# Altium PCB CRD25DA12N-FMC V1.2 (01-2024).PcbDoc (part 1 of 6) (continued)
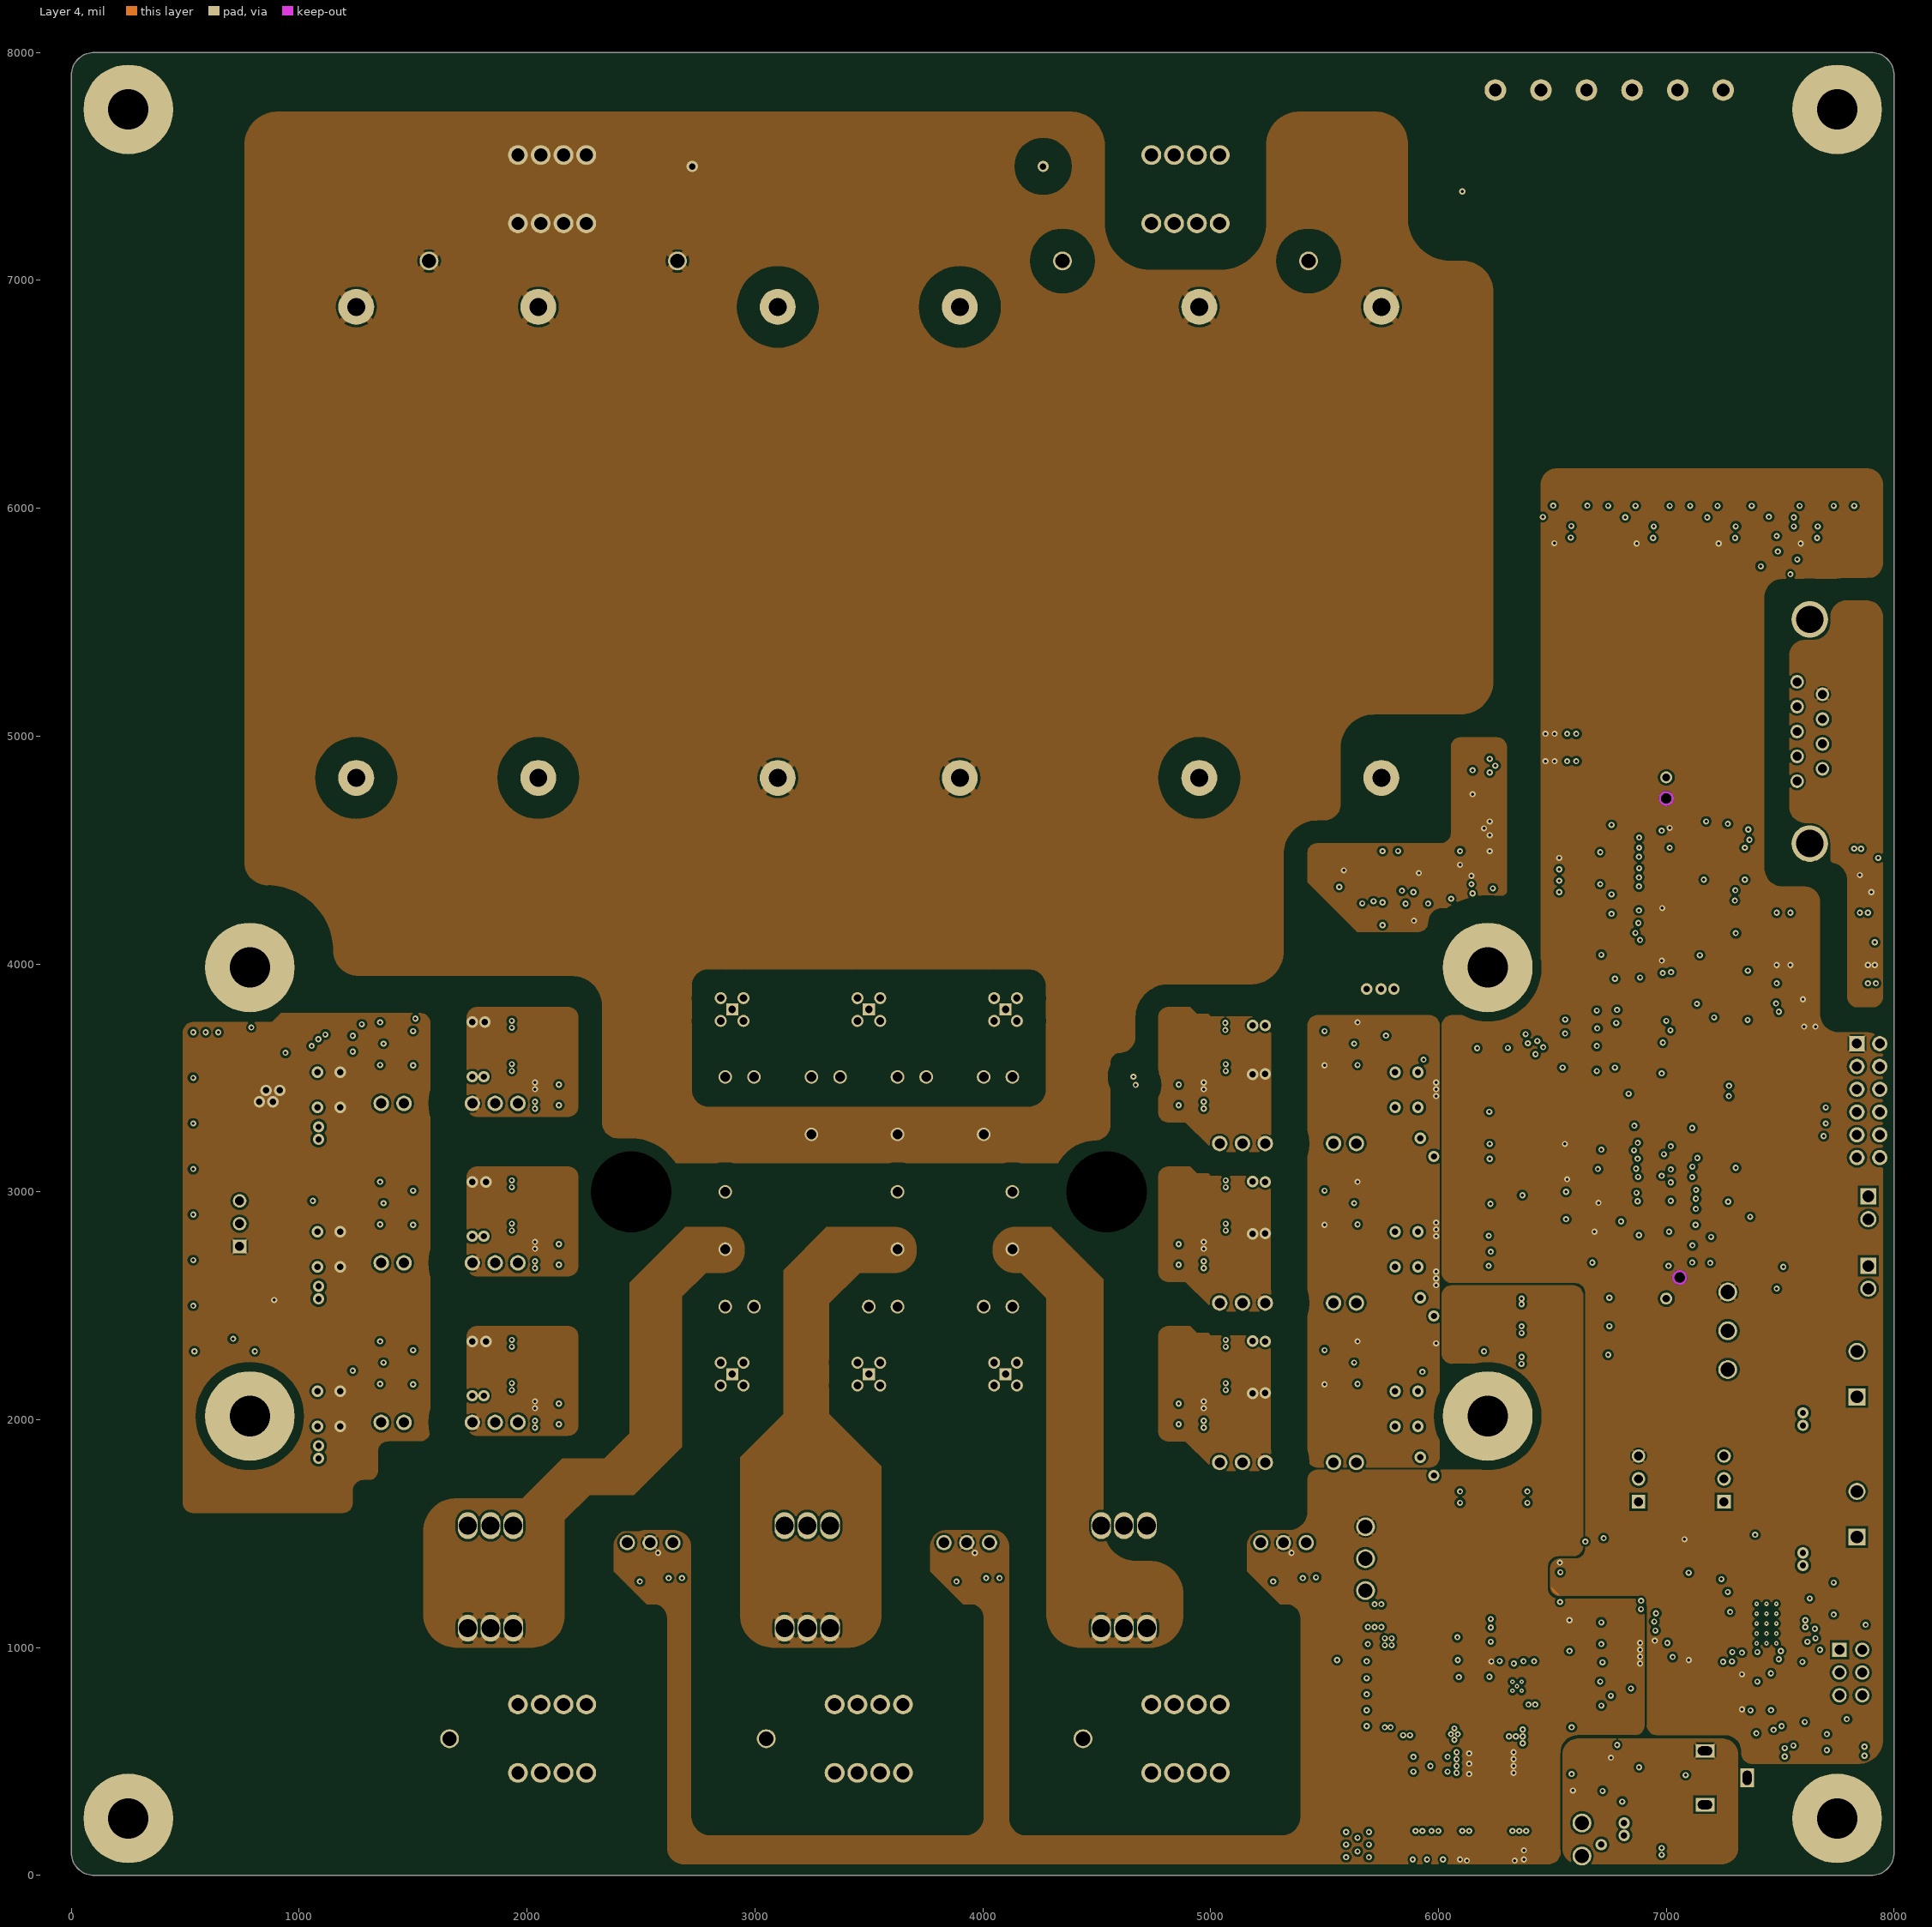
[diagram p4: Layer 4]
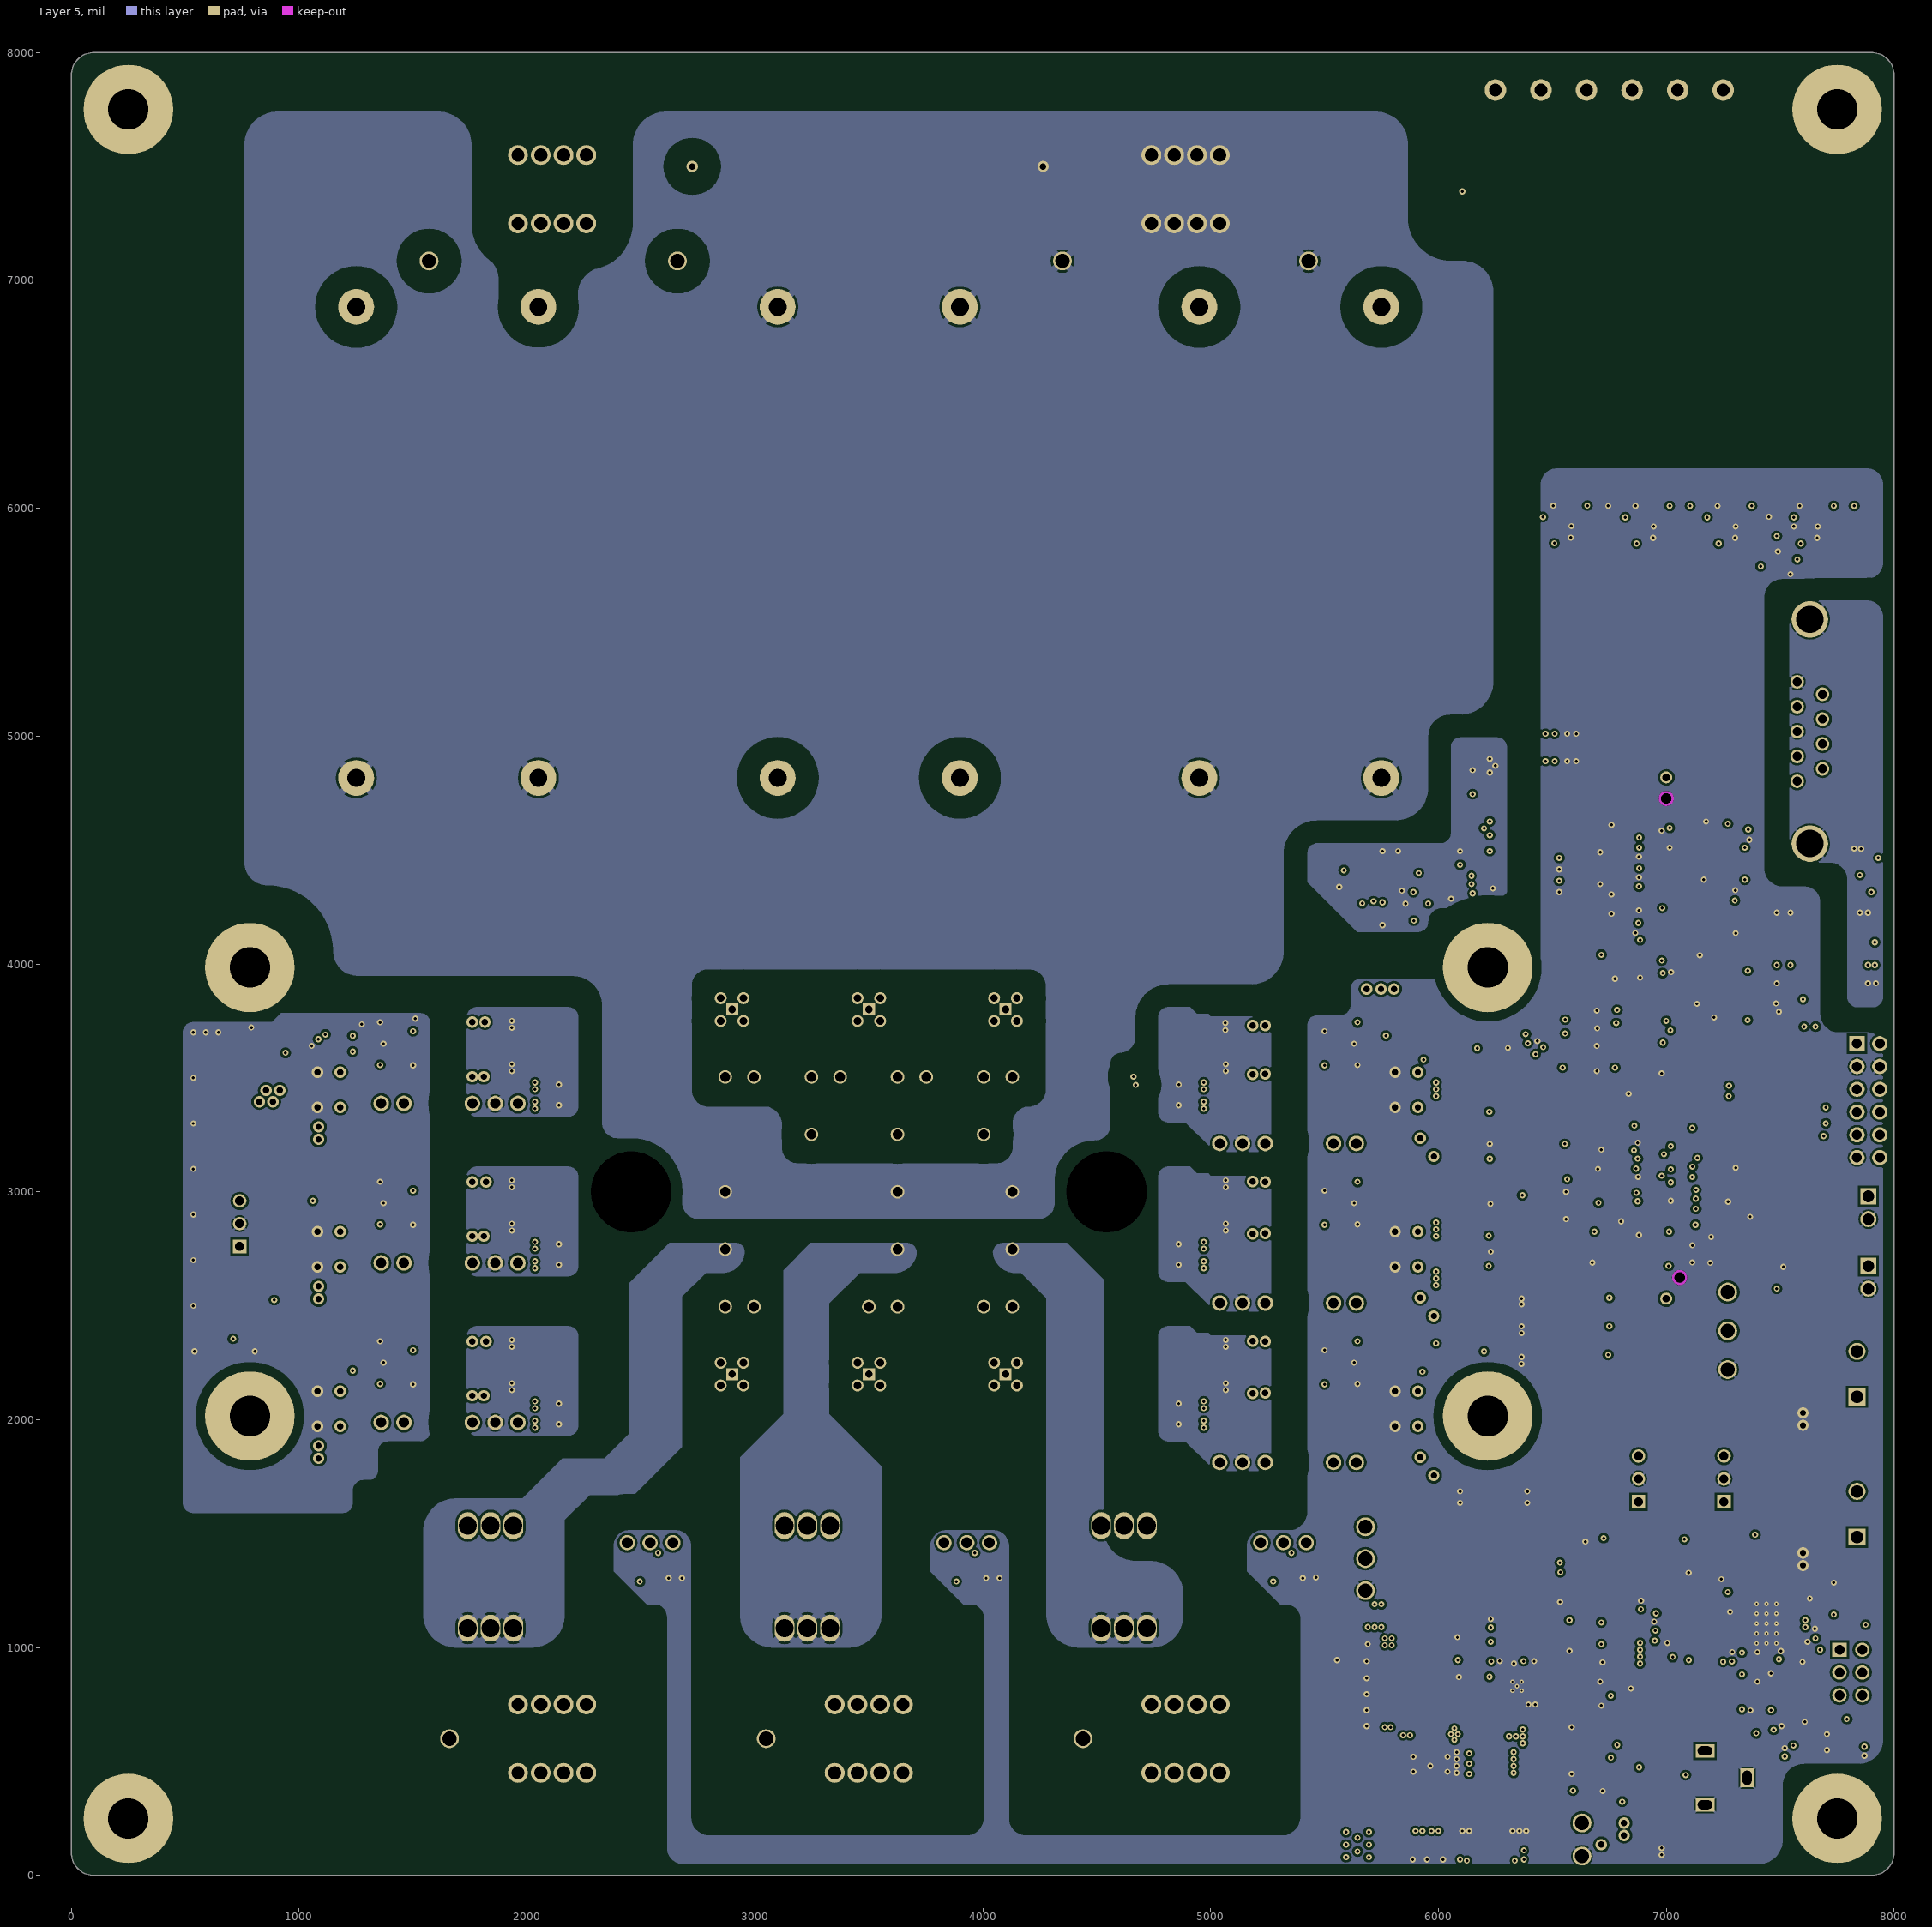
[diagram p5: Layer 5]

## Layer stack, top to bottom
Top Solder: solder mask 1, SM-002, Dk 4
Top Layer: signal copper 2.756
Dielectric 2: prepreg 7.894, PP-006, Dk 4.1
Layer 2: signal copper 2.756
Dielectric 4: prepreg 7.894, PP-006, Dk 4.1
Layer 3: signal copper 2.756
Dielectric 1: dielectric 42.888, FR-4, Dk 4.8
Layer 4: signal copper 2.756
Dielectric 5: prepreg 7.894, PP-006, Dk 4.1
Layer 5: signal copper 2.756
Dielectric 3: prepreg 7.894, PP-006, Dk 4.1
Bottom Layer: signal copper 2.756
Bottom Solder: solder mask 1, SM-002, Dk 4

## Board outline
0,100 0,7900 cw(c100,7900) 100,8000 7900,8000 cw(c7900,7900) 8000,7900 8000,100 cw(c7900,100) 7900,0 100,0 cw(c100,100)

## Design rules (kind name [scope] priority, off if disabled: settings)
Clearance Keepout [IsKeepOut] p1: gap=0 ignorepadtopadclearanceinfootprint=FALSE
Clearance DC+/-_Heatsink [InNet('DC-') Or InNet('DC+') vs HasFootprint('LA 6 150 12')] p2: gap=160 ignorepadtopadclearanceinfootprint=FALSE except(0: Arc-Hole Track-Hole SMDPad-Hole THPad-Hole Via-Hole Fill-Hole Poly-Hole Region-Hole Text-Hole)
Clearance NTC_Heatsink [InNetClass('NTC Class') vs HasFootprint('LA 6 150 12')] p3: gap=120 ignorepadtopadclearanceinfootprint=FALSE except(0: Arc-Hole Track-Hole SMDPad-Hole THPad-Hole Via-Hole Fill-Hole Poly-Hole Region-Hole Text-Hole)
Clearance Heatsink [All vs HasFootprint('LA 6 150 12')] p4: gap=40 ignorepadtopadclearanceinfootprint=FALSE except(0: Arc-Hole Track-Hole SMDPad-Hole THPad-Hole Via-Hole Fill-Hole Poly-Hole Region-Hole Text-Hole)
Clearance Module_Mount [All vs HoleDiameter = 354.331] p5: gap=50 ignorepadtopadclearanceinfootprint=FALSE
Clearance LV_to_G [InNetClass('LV Pours') vs InNetClass('Gate Class')] p6: gap=160 ignorepadtopadclearanceinfootprint=FALSE except(0: Arc-Hole Track-Hole SMDPad-Hole THPad-Hole Via-Hole Fill-Hole Poly-Hole Region-Hole Text-Hole)
Clearance DC+/-_to_LV [InNet('DC-') OR InNet('DC+') OR InNetClass('U Class') OR InNetClass('V Class') OR InNetClass('W Class') vs InNetClass('LV Pours')] p7: gap=160 ignorepadtopadclearanceinfootprint=FALSE except(0: Arc-Hole Track-Hole SMDPad-Hole THPad-Hole Via-Hole Fill-Hole Poly-Hole Region-Hole Text-Hole)
Clearance DC+_Internal [(InNet('DC-') Or InNetClass('DC+ Class')) AND InLayerClass('Internal Layers')] p8: gap=100 ignorepadtopadclearanceinfootprint=FALSE except(0: Arc-Hole Track-Hole SMDPad-Hole THPad-Hole Via-Hole Fill-Hole Poly-Hole Region-Hole Text-Hole)
Clearance DC+_Pins_External [InNet('DC+') AND InLayerClass('External Layers') vs (HasFootprint('FM3_SIX-PACK_3PHASE_CRW') OR HasFootprint('FP-73415-1471-MFG')) AND (InNetClass('Gate Class') OR InNetClass('NTC Class'))] p9: gap=140 ignorepadtopadclearanceinfootprint=FALSE except(0: Arc-Hole Track-Hole SMDPad-Hole THPad-Hole Via-Hole Fill-Hole Poly-Hole Region-Hole Text-Hole)
Clearance DC+_to_DC+ [InNetClass('DC+ Class') vs InNetClass('DC+ Class')] p10: gap=10 ignorepadtopadclearanceinfootprint=FALSE except(0: Arc-Hole Track-Hole SMDPad-Hole THPad-Hole Via-Hole Fill-Hole Poly-Hole Region-Hole Text-Hole)
Clearance DC+_External [InNet('DC+') AND InLayerClass('External Layers')] p11: gap=160 ignorepadtopadclearanceinfootprint=FALSE except(0: Arc-Text Arc-Hole Track-Text Track-Hole SMDPad-Text SMDPad-Hole THPad-Text THPad-Hole Via-Text Via-Hole Fill-Text Fill-Hole Poly-Text Poly-Hole Region-Text Region-Hole Text-Text Text-Hole)
Clearance CAN [InNetClass('CAN Class') vs Not InNetClass('CAN Class') And Not IsPad] p12: gap=100 ignorepadtopadclearanceinfootprint=FALSE except(0: Arc-Hole Track-Hole SMDPad-Hole THPad-Hole Via-Hole Fill-Hole Poly-Hole Region-Hole Text-Hole)
Clearance U [InNetClass('U Class') vs NOT InNetClass('U Class')] p13: gap=100 ignorepadtopadclearanceinfootprint=FALSE except(0: Arc-Text Arc-Hole Track-Text Track-Hole SMDPad-Text SMDPad-Hole THPad-Text THPad-Hole Via-Text Via-Hole Fill-Text Fill-Hole Poly-Text Poly-Hole Region-Text Region-Hole Text-Text Text-Hole)
Clearance V [InNetClass('V Class') vs NOT InNetClass('V Class')] p14: gap=100 ignorepadtopadclearanceinfootprint=FALSE except(0: Arc-Text Arc-Hole Track-Text Track-Hole SMDPad-Text SMDPad-Hole THPad-Text THPad-Hole Via-Text Via-Hole Fill-Text Fill-Hole Poly-Text Poly-Hole Region-Text Region-Hole Text-Text Text-Hole)
Clearance W [InNetClass('W Class') vs NOT InNetClass('W Class')] p15: gap=100 ignorepadtopadclearanceinfootprint=FALSE except(0: Arc-Hole Track-Hole SMDPad-Hole THPad-Hole Via-Hole Fill-Hole Poly-Hole Region-Hole Text-Text Text-Hole)
Clearance NTC_External [InNetClass('NTC Class') AND InLayerClass('External Layers') vs NOT InNetClass('NTC Class') AND NOT IsPad] p16: gap=150 ignorepadtopadclearanceinfootprint=FALSE except(0: Arc-Hole Track-Hole SMDPad-Hole THPad-Hole Via-Hole Fill-Hole Poly-Hole Region-Hole Text-Hole)
Clearance NTC_Internal [InNetClass('NTC Class') AND InLayerClass('Internal Layers') vs NOT InNetClass('NTC Class') AND NOT IsPad] p17: gap=100 ignorepadtopadclearanceinfootprint=FALSE except(0: Arc-Hole Track-Hole SMDPad-Hole THPad-Hole Via-Hole Fill-Hole Poly-Hole Region-Hole Text-Hole)
Clearance [All] p18: gap=10 ignorepadtopadclearanceinfootprint=TRUE except(0: Arc-Hole Track-Hole SMDPad-Hole THPad-Hole Via-Hole Fill-Poly Fill-Hole Poly-Hole Region-Hole Text-Hole; 6: Arc-SMDPad Track-SMDPad SMDPad-SMDPad THPad-THPad)
Height [All] p1: minheight=0 maxheight=4100 prefheight=500
HoleSize [All] p1: absolutevalues=TRUE maxlimit=400 minlimit=5 maxpercent=80.000 minpercent=20.000
MinimumSolderMaskSliver [All] p1: minsoldermaskwidth=1.5
PolygonConnect InductorConnect [HasFootprint('74437368220')] p1: connectstyle=Direct reliefconductorwidth=10 reliefentries=4 polygonreliefangle="90 Angle" airgapwidth=10
PolygonConnect BoltConnect [HoleDiameter=177.165] p2: thpad.connectstyle=Direct thpad.reliefconductorwidth=10 thpad.reliefentries=4 thpad.polygonreliefangle="90 Angle" thpad.airgapwidth=10 smdpad.connectstyle=Relief smdpad.reliefconductorwidth=10 smdpad.reliefentries=4 smdpad.polygonreliefangle="90 Angle" smdpad.airgapwidth=10 via.connectstyle=Relief via.reliefconductorwidth=10 via.reliefentries=4 via.polygonreliefangle="90 Angle" via.airgapwidth=10
PolygonConnect PressFitConnect [HasFootprint('7460307')] p3: connectstyle=Direct reliefconductorwidth=10 reliefentries=4 polygonreliefangle="90 Angle" airgapwidth=10
PolygonConnect ModuleConnect [HasFootprint('FM3_SIX-PACK_3PHASE_CRW')] p4: connectstyle=Direct reliefconductorwidth=30 reliefentries=4 polygonreliefangle="45 Angle" airgapwidth=10
PolygonConnect PourOverThruConnect [InNetClass('Pour-Over Thru Class') AND NOT HasFootprint('FM3_SIX-PACK_3PHASE_CRW')] p5: thpad.connectstyle=Relief thpad.reliefconductorwidth=20 thpad.reliefentries=4 thpad.polygonreliefangle="45 Angle" thpad.airgapwidth=7 smdpad.connectstyle=Relief smdpad.reliefconductorwidth=20 smdpad.reliefentries=4 smdpad.polygonreliefangle="90 Angle" smdpad.airgapwidth=8 via.connectstyle=Direct via.reliefconductorwidth=10 via.reliefentries=4 via.polygonreliefangle="90 Angle" via.airgapwidth=10
PolygonConnect PourOverConnect [InNetClass('Pour-Over Class')] p6: connectstyle=Direct reliefconductorwidth=10 reliefentries=4 polygonreliefangle="90 Angle" airgapwidth=10
PolygonConnect ViaConnect [IsVia] p7: connectstyle=Direct reliefconductorwidth=10 reliefentries=4 polygonreliefangle="90 Angle" airgapwidth=10
PolygonConnect HighCurrentThermalConnect [InNetClass('High-Current Class') AND NOT HasFootprint('FM3_SIX-PACK_3PHASE_CRW')] p8: thpad.connectstyle=Relief thpad.reliefconductorwidth=30 thpad.reliefentries=4 thpad.polygonreliefangle="45 Angle" thpad.airgapwidth=10 smdpad.connectstyle=Relief smdpad.reliefconductorwidth=10 smdpad.reliefentries=4 smdpad.polygonreliefangle="45 Angle" smdpad.airgapwidth=10 via.connectstyle=Direct via.reliefconductorwidth=10 via.reliefentries=4 via.polygonreliefangle="90 Angle" via.airgapwidth=10
PolygonConnect [All] p9: connectstyle=Relief reliefconductorwidth=10 reliefentries=4 polygonreliefangle="45 Angle" airgapwidth=7
RoutingVias [All] p1: holewidth=28 width=50 viastyle="Through Hole" minholewidth=28 minwidth=50 maxholewidth=28 maxwidth=50
SilkToSilkClearance [All] p1: silktosilkclearance=4
SilkToSolderMaskClearance [IsPad] p1: minsilkscreentomaskgap=2 clearancetoexposedcopper=TRUE
SolderMaskExpansion [All] p1: expansion=4 istentingtop=FALSE
Width [All] p1: maxlimit=100 minlimit=6.5 preferedwidth=10 minimp=50.000000 maximp=50.000000 favimp=50.000000
25 further rules are at their usual default settings.

## Classes and differential pairs
net class "Gate Class": +15V_U_HS +15V_U_LS +15V_V_HS +15V_V_LS +15V_W_HS +15V_W_LS -3V_U_HS -3V_U_LS -3V_V_HS -3V_V_LS -3V_W_HS -3V_W_LS G1 G1H G1L G2 G2H G2L G3 G3H G3L G4 G4H G4L G5 G5H G5L G6 G6H G6L S1 S2 S3 S4 S5 S6
net class "LV Pours": +3.3V +5V +5V_ALT +12V +15V -15V GND
net class "DC+ Class": DC+ DC+1
net class "G6 Class": +15V_W_LS -3V_W_LS G6 G6H G6L S6
net class "G5 Class": +15V_W_HS -3V_W_HS G5 G5H G5L S5
net class "G4 Class": +15V_V_LS -3V_V_LS G4 G4H G4L S4
net class "G3 Class": +15V_V_HS -3V_V_HS G3 G3H G3L S3
net class "G2 Class": +15V_U_LS -3V_U_LS G2 G2H G2L S2
net class "G1 Class": +15V_U_HS -3V_U_HS G1 G1H G1L S1
net class "CAN Class": +5V_ISO CAN_H CAN_L GND_ISO
net class "NTC Class": +5V_NTC GND_NTC NTC1 NTC1_BUF NTC1_FB NTC1_INV NTC_B0 NTC_B1 NTC_BIAS NTC_BIAS_BUF NTC_DIV NTC_MOD NTC_PWM NTC_SET
net class "Pour-Over Thru Class": +15V_U_HS +15V_U_LS +15V_V_HS +15V_V_LS +15V_W_HS +15V_W_LS -3V_U_HS -3V_U_LS -3V_V_HS -3V_V_LS -3V_W_HS -3V_W_LS S1 S2 S3 S4 S5 S6
net class "Pour-Over Class": G1 G1H G1L G2 G2H G2L G3 G3H G3L G4 G4H G4L G5 G5H G5L G6 G6H G6L
net class "High-Current Class": DC+ DC- U U_OUT V V_OUT W W_OUT
net class "Bleed Class": BLEED1 BLEED2 BLEED3
net class "DC- Class": +15V_U_LS +15V_V_LS +15V_W_LS -3V_U_LS -3V_V_LS -3V_W_LS DC- G2 G2H G2L G4 G4H G4L G6 G6H G6L S2 S4 S6
net class "W Class": +15V_W_HS -3V_W_HS G5 G5H G5L S5 W W_OUT
net class "V Class": +15V_V_HS -3V_V_HS G3 G3H G3L S3 V V_OUT
net class "U Class": +15V_U_HS -3V_U_HS G1 G1H G1L S1 U U_OUT
component class "08 - Resolver": C19 C22 C93 C94 C95 C96 C97 C98 C104 C106 C165 C169 C170 C171 C173 C174 C177 C178 C180 C181 C185 C187 D8 D9 D10 J16 Q1 R58 R63 R127 R128 R129 R130 R131 R132 R133 R135 R138 R140 R218 R220 R221 R222 R224 R228 R229 R232 R235 R236 R237 R238 R239 R240 R241 R242 R243 U43 U44 U45 U46
component class "02 - Power Stage": C114 C115 C116 C162 C163 C164 C166 C167 C168 D11 D12 D13 D14 HS1 J2 J3 J5 J6 J7 J12 J13 J14 J17 J18 J19 MH1 MH2 MH3 MH4 Q2 R1 R2 R3 R4 R5 R6 R7 R8 R9 R10 R11 R12 R73 R74 R79 R80 R107 R108 R110 R111 R125 R126 TP1 TP2 TP3 TP4 TP11 TP12 TP13 U32 U33 U34
component class "04 - Auxiliary Power": C5 C10 C11 C12 C13 C17 C27 C54 C66 C99 C100 C101 C102 C103 C105 C107 C108 C109 C110 C111 C112 C113 C121 C122 C126 C158 C159 C160 C161 C172 C175 C176 C179 C182 C183 C184 C186 C188 C189 C190 C191 C192 C193 C194 C195 C196 C197 C198 C199 C200 C201 C202 C203 C204 C205 C206 C207 D4 D5 D6 D7 D17 D18 J9 J10 J20 L7 L8 L9 Q5 Q6 R134 R136 R137 R139 R141 R142 R143 R144 R145 R146 R147 R148 R215 R216 R219 R223 R225 R226 R227 R230 R231 R233 R234 R244 R245 R246 R247 TP5 TP6 TP7 TP8 TP9 TP10 TP14 TP15 U6 U7 U12 U19 U30 U31 U35 U36 U37 U47
component class "07 - Current Sense": C21 C23 C25 C44 C45 C61 C69 C70 C123 C128 C129 C130 C133 C134 C135 C136 C137 C140 C141 C142 C145 C146 C147 C148 C149 C150 C152 C153 C154 R64 R82 R83 R84 R85 R86 R87 R90 R91 R96 R97 R100 R103 R104 R105 R106 R109 R114 R117 R120 R183 R184 R185 R186 R187 R188 R189 R190 R191 R192 R193 R194 R195 R196 U18 U21 U23 U38 U40 U41
component class "03 - Controller": C24 C26 C46 C47 C55 C58 C138 C139 C151 C155 C156 C157 D1 D2 D3 D15 D16 J4 J8 J11 J15 Q3 Q4 R65 R66 R181 R182 R204 R205 R206 R207 R208 R209 R210 R211 R212 R213 R214 R217 U5 U39 U42
component class "06 - Voltage Sense": C1 C2 C3 C4 C6 C7 C8 C9 C117 C118 C119 C120 C124 C125 C127 C132 J1 R13 R14 R15 R16 R17 R18 R19 R20 R21 R22 R23 R24 R25 R26 R27 R28 R29 R30 R31 R32 R33 R34 R35 R36 R37 R38 R39 R40 R41 R42 R43 R44 R45 R50 R55 R57 R149 R150 R151 R152 R153 R154 R155 R156 R157 R158 R159 R160 R161 R162 R163 R164 R165 R166 R167 R168 R169 R170 R171 R172 R173 R174 R175 R176 R177 R178 R179 R180 U1 U2 U3 U4
component class "05 - Gate Drivers": C14 C15 C16 C18 C20 C28 C29 C30 C31 C32 C33 C34 C35 C36 C37 C38 C39 C40 C41 C42 C43 C48 C49 C50 C51 C52 C53 C56 C57 C59 C60 C62 C63 C64 C65 C67 C68 C71 C72 C73 C74 C75 C76 C77 C78 C79 C80 C81 C82 C83 C84 C85 C86 C87 C88 C89 C90 C91 C92 C131 C143 C144 L1 L2 L3 L4 L5 L6 R46 R47 R48 R49 R51 R52 R53 R54 R56 R59 R60 R61 R62 R67 R68 R69 R70 R71 R72 R75 R76 R77 R78 R81 R88 R89 R92 R93 R94 R95 R98 R99 R101 R102 R112 R113 R115 R116 R118 R119 R121 R122 R123 R124 R197 R198 R199 R200 R201 R202 R203 U8 U9 U10 U11 U13 U14 U15 U16 U17 U20 U22 U24 U25 U26 U27 U28 U29

## Components (designator, comment, footprint, x,y, rotation, side; value= is the part's Value field where it differs from the comment)
C1 "C0603C472K3RAC7867" FP-C0603C-CF-IPC_B 6460,6040 r270 top value=4.7nF
C2 "CL10B103KA8WPNC" FP-C0603C-CF-IPC_B 6820,6040 r270 top value=10nF
C3 "CL10B103KA8WPNC" FP-C0603C-CF-IPC_B 7180,6040 r270 top value=10nF
C4 "CL10B103KA8WPNC" FP-C0603C-CF-IPC_B 7540,6040 r270 top value=10nF
C5 "C0603C104K3RACTU" FP-C0603C-CF-IPC_B 7480,5920 r180 top value=0.10μF
C6 "C0603C104K3RACTU" FP-C0603C-CF-IPC_B 6580,5795 r0 top value=0.10μF
C7 "C0603C104K3RACTU" FP-C0603C-CF-IPC_B 6940,5795 r0 top value=0.10μF
C8 "C0603C104K3RACTU" FP-C0603C-CF-IPC_B 7300,5795 r0 top value=0.10μF
C9 "C0603C104K3RACTU" FP-C0603C-CF-IPC_B 7660,5795 r0 top value=0.10μF
C10 "CL31B106KAHSFNE" FP-CL31-IPC_B 6530,5070 r0 top value=10μF
C11 "CL31B106KAHSFNE" FP-CL31-IPC_B 6090,4800 r90 top value=10μF
C12 "C0603C104K3RACTU" FP-C0603C-CF-IPC_B 7210,4580 r180 top value=0.10μF
C13 "C0603C104K3RACTU" FP-C0603C-CF-IPC_B 7210,4511 r180 top value=0.10μF
C14 "C0603C104K3RACTU" FP-C0603C-CF-IPC_B 5722,4470 r90 top value=0.10μF
C15 "C0603C104K3RACTU" FP-C0603C-CF-IPC_B 6060,4470 r90 top value=0.10μF
C16 "C0603C104K3RACTU" FP-C0603C-CF-IPC_B 6128,4470 r90 top value=0.10μF
C17 "C0603C104K3RACTU" FP-C0603C-CF-IPC_B 7210,4442 r180 top value=0.10μF
C18 "C0603C104K3RACTU" FP-C0603C-CF-IPC_B 6020,4340 r270 top value=0.10μF
C19 "C0603C102K5RACAUTO" FP-C0603C-CF-IPC_B 7210,4304 r0 top value=1nF
C20 "C0603C104K3RACTU" FP-C0603C-CF-IPC_B 5858,4200 r90 top value=0.10μF
C21 "C0603C472K3RAC7867" FP-C0603C-CF-IPC_B 6790,4180 r180 top value=4.7nF
C22 "C0603C102K5RACAUTO" FP-C0603C-CF-IPC_B 7210,4168 r0 top value=1nF
C23 "C0603C472K3RAC7867" FP-C0603C-CF-IPC_B 6790,4110 r180 top value=4.7nF
C24 "CL10C560JB8NNNC" FP-C0603C-CF-IPC_B 7210,4032 r180 top value=56pF
C25 "C0603C472K3RAC7867" FP-C0603C-CF-IPC_B 6790,3974 r180 top value=4.7nF
C26 "CL10C560JB8NNNC" FP-C0603C-CF-IPC_B 7210,3828 r0 top value=56pF
C27 "CL31B106KAHSFNE" FP-CL31-IPC_B 7575.81,3790 r180 top value=10μF
C28 "GRT188R61H225ME13D" FP-C0603C-CF-IPC_B 1425,3752 r180 top value=2.2μF
C29 "GRT188R61H225ME13D" FP-C0603C-CF-IPC_B 5575,3752 r180 top value=2.2μF
C30 "CL31B106KAHSFNE" FP-CL31-IPC_B 1930,3735 r180 top value=10μF
C31 "CL31B106KAHSFNE" FP-CL31-IPC_B 5070,3735 r180 top value=10μF
C32 "CL10C560JB8NNNC" FP-C0603C-CF-IPC_B 1425,3684 r180 top value=56pF
C33 "CL10C560JB8NNNC" FP-C0603C-CF-IPC_B 5575,3684 r0 top value=56pF
C34 "CL10C560JB8NNNC" FP-C0603C-CF-IPC_B 1425,3616 r180 top value=56pF
C35 "CL10C560JB8NNNC" FP-C0603C-CF-IPC_B 5575,3616 r0 top value=56pF
C36 "CL31B106KAHSFNE" FP-CL31-IPC_B 1930,3545 r0 top value=10μF
C37 "CL31B106KAHSFNE" FP-CL31-IPC_B 5070,3545 r0 top value=10μF
C38 "GRT188R61H225ME13D" FP-C0603C-CF-IPC_B 1425,3548 r0 top value=2.2μF
C39 "GRT188R61H225ME13D" FP-C0603C-CF-IPC_B 5575,3548 r0 top value=2.2μF
C40 "CL31B106KAHSFNE" FP-CL31-IPC_B 2135,3465 r180 top value=10μF
C41 "CL31B106KAHSFNE" FP-CL31-IPC_B 4865,3465 r0 top value=10μF
C42 "CL31B106KAHSFNE" FP-CL31-IPC_B 2135,3380 r0 top value=10μF
C43 "CL31B106KAHSFNE" FP-CL31-IPC_B 4865,3380 r180 top value=10μF
C44 "C0603C104K3RACTU" FP-C0603C-CF-IPC_B 6290,3251 r180 top value=0.10μF
C45 "C0603C472K3RAC7867" FP-C0603C-CF-IPC_B 6290,3182 r180 top value=4.7nF
C46 "CL10C560JB8NNNC" FP-C0603C-CF-IPC_B 7210,3140 r0 top value=56pF
C47 "CL10C560JB8NNNC" FP-C0603C-CF-IPC_B 7210,3070 r0 top value=56pF
C48 "CL31B106KAHSFNE" FP-CL31-IPC_B 1135,3052 r180 top value=10μF
C49 "CL31B106KAHSFNE" FP-CL31-IPC_B 5865,3052 r180 top value=10μF
C50 "GRT188R61H225ME13D" FP-C0603C-CF-IPC_B 1425,3052 r180 top value=2.2μF
C51 "GRT188R61H225ME13D" FP-C0603C-CF-IPC_B 5575,3052 r180 top value=2.2μF
C52 "CL31B106KAHSFNE" FP-CL31-IPC_B 1930,3035 r180 top value=10μF
C53 "CL31B106KAHSFNE" FP-CL31-IPC_B 5070,3035 r180 top value=10μF
C54 "CL31B106KAHSFNE" FP-CL31-IPC_B 875,2960 r270 top value=10μF
C55 "CL10C560JB8NNNC" FP-C0603C-CF-IPC_B 7210,3000 r0 top value=56pF
C56 "CL10C560JB8NNNC" FP-C0603C-CF-IPC_B 1425,2984 r180 top value=56pF